# KiCad board hoember_panel.kicad_pcb (continued)
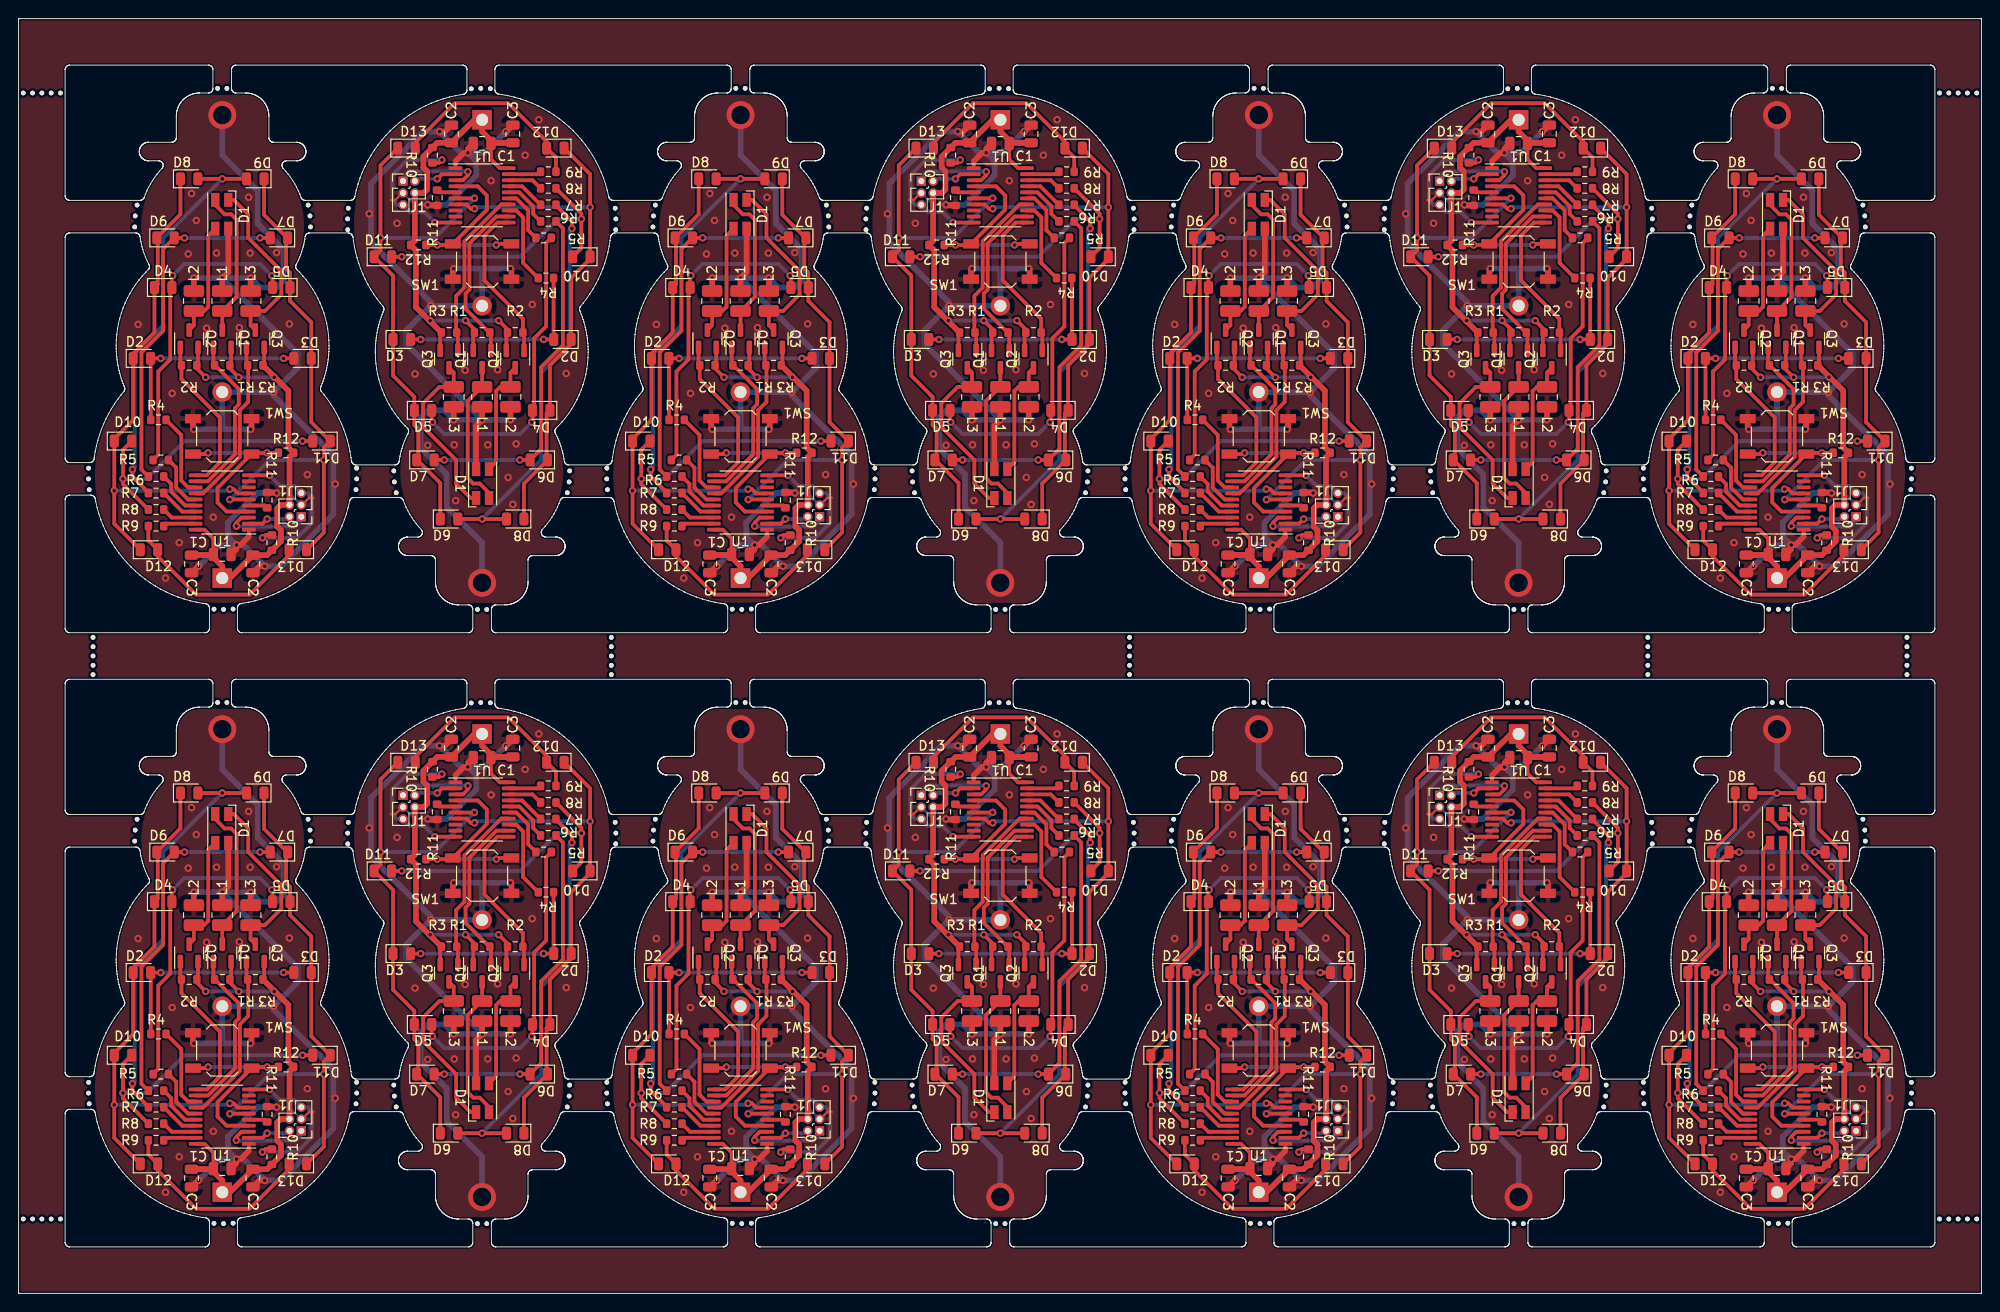
[diagram p0: board, top side]
## Nets (continued)
Board_4-Net-(D1-GK): D1#14.3 L3#12.1 Q3#3.3
Board_4-Net-(D1-RK): D1#14.2 L2#7.1 Q2#6.3
Board_4-Net-(D2-A): D2#12.2 D3#10.2 R4.1
Board_4-Net-(D4-A): D4#8.2 D5#7.2 R5#13.1
Board_4-Net-(D6-A): D6#2.2 D7#5.2 R6#5.1
Board_4-Net-(D8-A): D8#10.2 D9#13.2 R7#2.1
Board_4-Net-(D10-A): D10#4.2 D11#8.2 R8#8.1
Board_4-Net-(D12-A): D12#5.2 D13#5.2 R9#6.1
Board_4-Net-(SW1A-A): R12#2.1 SW1#11.1 U1#13.4
Board_4-Net-(U1-PB6/PF4-BOOT0): R11.2 U1#13.5
Board_4-unconnected-(U1-PF0-OSCIN-Pad8): U1#13.8
Board_4-unconnected-(U1-PF1-OSCOUT-Pad9): U1#13.9
Board_4-VCC: BT1#14.1 C1#14.2 C2#13.1 C3#9.1 J1#7.4 Q1#5.2 Q2#6.2 Q3#3.2 R1#5.1 R2#2.1 R3#11.1 R10#14.1 R12#2.2 U1#13.20
Board_5-/B: Q1.1 R1.2 U1#14.12
Board_5-/G: Q3#8.1 R3#2.2 U1#14.14
Board_5-/L1: R4#4.2 U1#14.13
Board_5-/L2: R5#12.2 U1#14.15
Board_5-/L3: R6#14.2 U1#14.16
Board_5-/L4: R7#11.2 U1#14.17
Board_5-/L5: R8#5.2 U1#14.18
Board_5-/L6: R9.2 U1#14.19
Board_5-/MPX1: D3#4.1 D5#5.1 D7#13.1 D9#2.1 D11.1 D13#7.1 U1#14.6
Board_5-/MPX2: D2.1 D4#3.1 D6#9.1 D8#8.1 D10#14.1 D12#4.1 U1#14.7
Board_5-/nRST: J1.5 R10#5.2 U1#14.10
Board_5-/R: Q2#5.1 R2#14.2 U1#14.11
Board_5-/SWC: J1.1 U1#14.3
Board_5-/SWD: J1.2 U1#14.2
Board_5-GND: BT1#10.2 C1#13.1 C2#5.2 C3#10.2 D1#5.1 J1.3 L1#2.2 L2#4.2 L3#10.2 R11#6.1 SW1.2 U1#14.1
Board_5-Net-(D1-BK): D1#5.4 L1#2.1 Q1.3
Board_5-Net-(D1-GK): D1#5.3 L3#10.1 Q3#8.3
Board_5-Net-(D1-RK): D1#5.2 L2#4.1 Q2#5.3
Board_5-Net-(D2-A): D2.2 D3#4.2 R4#4.1
Board_5-Net-(D4-A): D4#3.2 D5#5.2 R5#12.1
Board_5-Net-(D6-A): D6#9.2 D7#13.2 R6#14.1
Board_5-Net-(D8-A): D8#8.2 D9#2.2 R7#11.1
Board_5-Net-(D10-A): D10#14.2 D11.2 R8#5.1
Board_5-Net-(D12-A): D12#4.2 D13#7.2 R9.1
Board_5-Net-(SW1A-A): R12#11.1 SW1.1 U1#14.4
Board_5-Net-(U1-PB6/PF4-BOOT0): R11#6.2 U1#14.5
Board_5-unconnected-(U1-PF0-OSCIN-Pad8): U1#14.8
Board_5-unconnected-(U1-PF1-OSCOUT-Pad9): U1#14.9
Board_5-VCC: BT1#10.1 C1#13.2 C2#5.1 C3#10.1 J1.4 Q1.2 Q2#5.2 Q3#8.2 R1.1 R2#14.1 R3#2.1 R10#5.1 R12#11.2 U1#14.20
Board_6-/B: Q1#6.1 R1#11.2 U1#10.12
Board_6-/G: Q3#7.1 R3#8.2 U1#10.14
Board_6-/L1: R4#2.2 U1#10.13
Board_6-/L2: R5#10.2 U1#10.15
Board_6-/L3: R6#9.2 U1#10.16
Board_6-/L4: R7#8.2 U1#10.17
Board_6-/L5: R8#12.2 U1#10.18
Board_6-/L6: R9#14.2 U1#10.19
Board_6-/MPX1: D3#13.1 D5.1 D7#7.1 D9#10.1 D11#14.1 D13#9.1 U1#10.6
Board_6-/MPX2: D2#11.1 D4#6.1 D6#4.1 D8#13.1 D10#10.1 D12#12.1 U1#10.7
Board_6-/nRST: J1#8.5 R10#6.2 U1#10.10
Board_6-/R: Q2#2.1 R2#9.2 U1#10.11
Board_6-/SWC: J1#8.1 U1#10.3
Board_6-/SWD: J1#8.2 U1#10.2
Board_6-GND: BT1#9.2 C1#10.1 C2#11.2 C3#5.2 D1#11.1 J1#8.3 L1#14.2 L2#12.2 L3#13.2 R11#14.1 SW1#3.2 U1#10.1
Board_6-Net-(D1-BK): D1#11.4 L1#14.1 Q1#6.3
Board_6-Net-(D1-GK): D1#11.3 L3#13.1 Q3#7.3
Board_6-Net-(D1-RK): D1#11.2 L2#12.1 Q2#2.3
Board_6-Net-(D2-A): D2#11.2 D3#13.2 R4#2.1
Board_6-Net-(D4-A): D4#6.2 D5.2 R5#10.1
Board_6-Net-(D6-A): D6#4.2 D7#7.2 R6#9.1
Board_6-Net-(D8-A): D8#13.2 D9#10.2 R7#8.1
Board_6-Net-(D10-A): D10#10.2 D11#14.2 R8#12.1
Board_6-Net-(D12-A): D12#12.2 D13#9.2 R9#14.1
Board_6-Net-(SW1A-A): R12#5.1 SW1#3.1 U1#10.4
Board_6-Net-(U1-PB6/PF4-BOOT0): R11#14.2 U1#10.5
Board_6-unconnected-(U1-PF0-OSCIN-Pad8): U1#10.8
Board_6-unconnected-(U1-PF1-OSCOUT-Pad9): U1#10.9
Board_6-VCC: BT1#9.1 C1#10.2 C2#11.1 C3#5.1 J1#8.4 Q1#6.2 Q2#2.2 Q3#7.2 R1#11.1 R2#9.1 R3#8.1 R10#6.1 R12#5.2 U1#10.20
Board_7-/B: Q1#12.1 R1#12.2 U1#5.12
Board_7-/G: Q3#2.1 R3#14.2 U1#5.14
Board_7-/L1: R4#7.2 U1#5.13
Board_7-/L2: R5#14.2 U1#5.15
Board_7-/L3: R6.2 U1#5.16
Board_7-/L4: R7#4.2 U1#5.17
Board_7-/L5: R8#7.2 U1#5.18
Board_7-/L6: R9#10.2 U1#5.19
Board_7-/MPX1: D3.1 D5#2.1 D7#10.1 D9#6.1 D11#5.1 D13#6.1 U1#5.6
Board_7-/MPX2: D2#2.1 D4#9.1 D6#3.1 D8#9.1 D10#8.1 D12#9.1 U1#5.7
Board_7-/nRST: J1#9.5 R10.2 U1#5.10
Board_7-/R: Q2#14.1 R2#4.2 U1#5.11
Board_7-/SWC: J1#9.1 U1#5.3
Board_7-/SWD: J1#9.2 U1#5.2
Board_7-GND: BT1#5.2 C1#9.1 C2#2.2 C3.2 D1#4.1 J1#9.3 L1#13.2 L2#14.2 L3#7.2 R11#2.1 SW1#14.2 U1#5.1
Board_7-Net-(D1-BK): D1#4.4 L1#13.1 Q1#12.3
Board_7-Net-(D1-GK): D1#4.3 L3#7.1 Q3#2.3
Board_7-Net-(D1-RK): D1#4.2 L2#14.1 Q2#14.3
Board_7-Net-(D2-A): D2#2.2 D3.2 R4#7.1
Board_7-Net-(D4-A): D4#9.2 D5#2.2 R5#14.1
Board_7-Net-(D6-A): D6#3.2 D7#10.2 R6.1
Board_7-Net-(D8-A): D8#9.2 D9#6.2 R7#4.1
Board_7-Net-(D10-A): D10#8.2 D11#5.2 R8#7.1
Board_7-Net-(D12-A): D12#9.2 D13#6.2 R9#10.1
Board_7-Net-(SW1A-A): R12#10.1 SW1#14.1 U1#5.4
Board_7-Net-(U1-PB6/PF4-BOOT0): R11#2.2 U1#5.5
Board_7-unconnected-(U1-PF0-OSCIN-Pad8): U1#5.8
Board_7-unconnected-(U1-PF1-OSCOUT-Pad9): U1#5.9
Board_7-VCC: BT1#5.1 C1#9.2 C2#2.1 C3.1 J1#9.4 Q1#12.2 Q2#14.2 Q3#2.2 R1#12.1 R2#4.1 R3#14.1 R10.1 R12#10.2 U1#5.20
Board_8-/B: Q1#10.1 R1#2.2 U1#3.12
Board_8-/G: Q3.1 R3#12.2 U1#3.14
Board_8-/L1: R4#12.2 U1#3.13
Board_8-/L2: R5#7.2 U1#3.15
Board_8-/L3: R6#12.2 U1#3.16
Board_8-/L4: R7#5.2 U1#3.17
Board_8-/L5: R8#14.2 U1#3.18
Board_8-/L6: R9#13.2 U1#3.19
Board_8-/MPX1: D3#5.1 D5#10.1 D7#4.1 D9#5.1 D11#9.1 D13#3.1 U1#3.6
Board_8-/MPX2: D2#5.1 D4#14.1 D6#10.1 D8#11.1 D10#3.1 D12#10.1 U1#3.7
Board_8-/nRST: J1#14.5 R10#12.2 U1#3.10
Board_8-/R: Q2#12.1 R2#12.2 U1#3.11
Board_8-/SWC: J1#14.1 U1#3.3
Board_8-/SWD: J1#14.2 U1#3.2
Board_8-GND: BT1#6.2 C1#5.1 C2#12.2 C3#8.2 D1.1 J1#14.3 L1#12.2 L2#9.2 L3.2 R11#4.1 SW1#4.2 U1#3.1
Board_8-Net-(D1-BK): D1.4 L1#12.1 Q1#10.3
Board_8-Net-(D1-GK): D1.3 L3.1 Q3.3
Board_8-Net-(D1-RK): D1.2 L2#9.1 Q2#12.3
Board_8-Net-(D2-A): D2#5.2 D3#5.2 R4#12.1
Board_8-Net-(D4-A): D4#14.2 D5#10.2 R5#7.1
Board_8-Net-(D6-A): D6#10.2 D7#4.2 R6#12.1
Board_8-Net-(D8-A): D8#11.2 D9#5.2 R7#5.1
Board_8-Net-(D10-A): D10#3.2 D11#9.2 R8#14.1
Board_8-Net-(D12-A): D12#10.2 D13#3.2 R9#13.1
Board_8-Net-(SW1A-A): R12#8.1 SW1#4.1 U1#3.4
Board_8-Net-(U1-PB6/PF4-BOOT0): R11#4.2 U1#3.5
Board_8-unconnected-(U1-PF0-OSCIN-Pad8): U1#3.8
Board_8-unconnected-(U1-PF1-OSCOUT-Pad9): U1#3.9
Board_8-VCC: BT1#6.1 C1#5.2 C2#12.1 C3#8.1 J1#14.4 Q1#10.2 Q2#12.2 Q3.2 R1#2.1 R2#12.1 R3#12.1 R10#12.1 R12#8.2 U1#3.20
Board_9-/B: Q1#4.1 R1#3.2 U1.12
Board_9-/G: Q3#13.1 R3#10.2 U1.14
Board_9-/L1: R4#8.2 U1.13
Board_9-/L2: R5#5.2 U1.15
Board_9-/L3: R6#3.2 U1.16
Board_9-/L4: R7#9.2 U1.17
Board_9-/L5: R8#11.2 U1.18
Board_9-/L6: R9#2.2 U1.19
Board_9-/MPX1: D3#11.1 D5#3.1 D7#9.1 D9#7.1 D11#11.1 D13#14.1 U1.6
Board_9-/MPX2: D2#3.1 D4#10.1 D6#8.1 D8#14.1 D10#5.1 D12#2.1 U1.7
Board_9-/nRST: J1#5.5 R10#10.2 U1.10
Board_9-/R: Q2#7.1 R2#8.2 U1.11
Board_9-/SWC: J1#5.1 U1.3
Board_9-/SWD: J1#5.2 U1.2
Board_9-GND: BT1#4.2 C1#2.1 C2#9.2 C3#6.2 D1#2.1 J1#5.3 L1#8.2 L2#13.2 L3#14.2 R11#13.1 SW1#5.2 U1.1
Board_9-Net-(D1-BK): D1#2.4 L1#8.1 Q1#4.3
Board_9-Net-(D1-GK): D1#2.3 L3#14.1 Q3#13.3
Board_9-Net-(D1-RK): D1#2.2 L2#13.1 Q2#7.3
Board_9-Net-(D2-A): D2#3.2 D3#11.2 R4#8.1
Board_9-Net-(D4-A): D4#10.2 D5#3.2 R5#5.1
Board_9-Net-(D6-A): D6#8.2 D7#9.2 R6#3.1
Board_9-Net-(D8-A): D8#14.2 D9#7.2 R7#9.1
Board_9-Net-(D10-A): D10#5.2 D11#11.2 R8#11.1
Board_9-Net-(D12-A): D12#2.2 D13#14.2 R9#2.1
Board_9-Net-(SW1A-A): R12#4.1 SW1#5.1 U1.4
Board_9-Net-(U1-PB6/PF4-BOOT0): R11#13.2 U1.5
Board_9-unconnected-(U1-PF0-OSCIN-Pad8): U1.8
Board_9-unconnected-(U1-PF1-OSCOUT-Pad9): U1.9
Board_9-VCC: BT1#4.1 C1#2.2 C2#9.1 C3#6.1 J1#5.4 Q1#4.2 Q2#7.2 Q3#13.2 R1#3.1 R2#8.1 R3#10.1 R10#10.1 R12#4.2 U1.20
Board_10-/B: Q1#3.1 R1#10.2 U1#8.12
Board_10-/G: Q3#4.1 R3#3.2 U1#8.14
Board_10-/L1: R4#13.2 U1#8.13
Board_10-/L2: R5#3.2 U1#8.15
Board_10-/L3: R6#10.2 U1#8.16
Board_10-/L4: R7#10.2 U1#8.17
Board_10-/L5: R8#10.2 U1#8.18
Board_10-/L6: R9#12.2 U1#8.19
Board_10-/MPX1: D3#12.1 D5#13.1 D7#3.1 D9#11.1 D11#7.1 D13#11.1 U1#8.6
Board_10-/MPX2: D2#13.1 D4#12.1 D6#11.1 D8.1 D10#12.1 D12#6.1 U1#8.7
Board_10-/nRST: J1#3.5 R10#11.2 U1#8.10
Board_10-/R: Q2#3.1 R2#10.2 U1#8.11
Board_10-/SWC: J1#3.1 U1#8.3
Board_10-/SWD: J1#3.2 U1#8.2
Board_10-GND: BT1#12.2 C1.1 C2#8.2 C3#14.2 D1#13.1 J1#3.3 L1#7.2 L2#3.2 L3#11.2 R11#3.1 SW1#12.2 U1#8.1
Board_10-Net-(D1-BK): D1#13.4 L1#7.1 Q1#3.3
Board_10-Net-(D1-GK): D1#13.3 L3#11.1 Q3#4.3
Board_10-Net-(D1-RK): D1#13.2 L2#3.1 Q2#3.3
Board_10-Net-(D2-A): D2#13.2 D3#12.2 R4#13.1
Board_10-Net-(D4-A): D4#12.2 D5#13.2 R5#3.1
Board_10-Net-(D6-A): D6#11.2 D7#3.2 R6#10.1
Board_10-Net-(D8-A): D8.2 D9#11.2 R7#10.1
Board_10-Net-(D10-A): D10#12.2 D11#7.2 R8#10.1
Board_10-Net-(D12-A): D12#6.2 D13#11.2 R9#12.1
Board_10-Net-(SW1A-A): R12#12.1 SW1#12.1 U1#8.4
Board_10-Net-(U1-PB6/PF4-BOOT0): R11#3.2 U1#8.5
Board_10-unconnected-(U1-PF0-OSCIN-Pad8): U1#8.8
Board_10-unconnected-(U1-PF1-OSCOUT-Pad9): U1#8.9
Board_10-VCC: BT1#12.1 C1.2 C2#8.1 C3#14.1 J1#3.4 Q1#3.2 Q2#3.2 Q3#4.2 R1#10.1 R2#10.1 R3#3.1 R10#11.1 R12#12.2 U1#8.20
Board_11-/B: Q1#14.1 R1#8.2 U1#2.12
Board_11-/G: Q3#6.1 R3.2 U1#2.14
Board_11-/L1: R4#5.2 U1#2.13
Board_11-/L2: R5.2 U1#2.15
Board_11-/L3: R6#7.2 U1#2.16
Board_11-/L4: R7#6.2 U1#2.17
Board_11-/L5: R8#6.2 U1#2.18
Board_11-/L6: R9#9.2 U1#2.19
Board_11-/MPX1: D3#2.1 D5#4.1 D7#2.1 D9#12.1 D11#3.1 D13#10.1 U1#2.6
Board_11-/MPX2: D2#10.1 D4#2.1 D6#12.1 D8#3.1 D10.1 D12#7.1 U1#2.7
Board_11-/nRST: J1#11.5 R10#9.2 U1#2.10
Board_11-/R: Q2.1 R2#11.2 U1#2.11
Board_11-/SWC: J1#11.1 U1#2.3
Board_11-/SWD: J1#11.2 U1#2.2
Board_11-GND: BT1#8.2 C1#11.1 C2#7.2 C3#11.2 D1#9.1 J1#11.3 L1#10.2 L2#10.2 L3#5.2 R11#12.1 SW1#2.2 U1#2.1
Board_11-Net-(D1-BK): D1#9.4 L1#10.1 Q1#14.3
Board_11-Net-(D1-GK): D1#9.3 L3#5.1 Q3#6.3
Board_11-Net-(D1-RK): D1#9.2 L2#10.1 Q2.3
Board_11-Net-(D2-A): D2#10.2 D3#2.2 R4#5.1
Board_11-Net-(D4-A): D4#2.2 D5#4.2 R5.1
Board_11-Net-(D6-A): D6#12.2 D7#2.2 R6#7.1
Board_11-Net-(D8-A): D8#3.2 D9#12.2 R7#6.1
Board_11-Net-(D10-A): D10.2 D11#3.2 R8#6.1
Board_11-Net-(D12-A): D12#7.2 D13#10.2 R9#9.1
Board_11-Net-(SW1A-A): R12#3.1 SW1#2.1 U1#2.4
Board_11-Net-(U1-PB6/PF4-BOOT0): R11#12.2 U1#2.5
Board_11-unconnected-(U1-PF0-OSCIN-Pad8): U1#2.8
Board_11-unconnected-(U1-PF1-OSCOUT-Pad9): U1#2.9
Board_11-VCC: BT1#8.1 C1#11.2 C2#7.1 C3#11.1 J1#11.4 Q1#14.2 Q2.2 Q3#6.2 R1#8.1 R2#11.1 R3.1 R10#9.1 R12#3.2 U1#2.20
Board_12-/B: Q1#7.1 R1#6.2 U1#9.12
Board_12-/G: Q3#12.1 R3#5.2 U1#9.14
Board_12-/L1: R4#14.2 U1#9.13
Board_12-/L2: R5#9.2 U1#9.15
Board_12-/L3: R6#6.2 U1#9.16
Board_12-/L4: R7.2 U1#9.17
Board_12-/L5: R8#3.2 U1#9.18
Board_12-/L6: R9#8.2 U1#9.19
Board_12-/MPX1: D3#9.1 D5#6.1 D7#12.1 D9#3.1 D11#13.1 D13#4.1 U1#9.6
Board_12-/MPX2: D2#8.1 D4#4.1 D6#13.1 D8#4.1 D10#7.1 D12#3.1 U1#9.7
Board_12-/nRST: J1#6.5 R10#7.2 U1#9.10
Board_12-/R: Q2#10.1 R2#7.2 U1#9.11
Board_12-/SWC: J1#6.1 U1#9.3
Board_12-/SWD: J1#6.2 U1#9.2
Board_12-GND: BT1.2 C1#3.1 C2#14.2 C3#2.2 D1#8.1 J1#6.3 L1#9.2 L2#2.2 L3#3.2 R11#9.1 SW1#8.2 U1#9.1
Board_12-Net-(D1-BK): D1#8.4 L1#9.1 Q1#7.3
Board_12-Net-(D1-GK): D1#8.3 L3#3.1 Q3#12.3
Board_12-Net-(D1-RK): D1#8.2 L2#2.1 Q2#10.3
Board_12-Net-(D2-A): D2#8.2 D3#9.2 R4#14.1
Board_12-Net-(D4-A): D4#4.2 D5#6.2 R5#9.1
Board_12-Net-(D6-A): D6#13.2 D7#12.2 R6#6.1
Board_12-Net-(D8-A): D8#4.2 D9#3.2 R7.1
Board_12-Net-(D10-A): D10#7.2 D11#13.2 R8#3.1
Board_12-Net-(D12-A): D12#3.2 D13#4.2 R9#8.1
Board_12-Net-(SW1A-A): R12#6.1 SW1#8.1 U1#9.4
Board_12-Net-(U1-PB6/PF4-BOOT0): R11#9.2 U1#9.5
Board_12-unconnected-(U1-PF0-OSCIN-Pad8): U1#9.8
Board_12-unconnected-(U1-PF1-OSCOUT-Pad9): U1#9.9
Board_12-VCC: BT1.1 C1#3.2 C2#14.1 C3#2.1 J1#6.4 Q1#7.2 Q2#10.2 Q3#12.2 R1#6.1 R2#7.1 R3#5.1 R10#7.1 R12#6.2 U1#9.20
Board_13-/B: Q1#2.1 R1#13.2 U1#4.12
Board_13-/G: Q3#10.1 R3#6.2 U1#4.14
Board_13-/L1: R4#3.2 U1#4.13
Board_13-/L2: R5#8.2 U1#4.15
Board_13-/L3: R6#4.2 U1#4.16
Board_13-/L4: R7#12.2 U1#4.17
Board_13-/L5: R8#2.2 U1#4.18
Board_13-/L6: R9#5.2 U1#4.19
Board_13-/MPX1: D3#3.1 D5#8.1 D7#8.1 D9#4.1 D11#6.1 D13#12.1 U1#4.6
Board_13-/MPX2: D2#9.1 D4#11.1 D6#14.1 D8#5.1 D10#11.1 D12#13.1 U1#4.7
Board_13-/nRST: J1#2.5 R10#4.2 U1#4.10
Board_13-/R: Q2#11.1 R2#6.2 U1#4.11
Board_13-/SWC: J1#2.1 U1#4.3
Board_13-/SWD: J1#2.2 U1#4.2
Board_13-GND: BT1#7.2 C1#6.1 C2#10.2 C3#3.2 D1#12.1 J1#2.3 L1#6.2 L2#5.2 L3#6.2 R11#8.1 SW1#13.2 U1#4.1
Board_13-Net-(D1-BK): D1#12.4 L1#6.1 Q1#2.3
Board_13-Net-(D1-GK): D1#12.3 L3#6.1 Q3#10.3
Board_13-Net-(D1-RK): D1#12.2 L2#5.1 Q2#11.3
Board_13-Net-(D2-A): D2#9.2 D3#3.2 R4#3.1
Board_13-Net-(D4-A): D4#11.2 D5#8.2 R5#8.1
Board_13-Net-(D6-A): D6#14.2 D7#8.2 R6#4.1
Board_13-Net-(D8-A): D8#5.2 D9#4.2 R7#12.1
Board_13-Net-(D10-A): D10#11.2 D11#6.2 R8#2.1
Board_13-Net-(D12-A): D12#13.2 D13#12.2 R9#5.1
Board_13-Net-(SW1A-A): R12#7.1 SW1#13.1 U1#4.4
Board_13-Net-(U1-PB6/PF4-BOOT0): R11#8.2 U1#4.5
Board_13-unconnected-(U1-PF0-OSCIN-Pad8): U1#4.8
Board_13-unconnected-(U1-PF1-OSCOUT-Pad9): U1#4.9
Board_13-VCC: BT1#7.1 C1#6.2 C2#10.1 C3#3.1 J1#2.4 Q1#2.2 Q2#11.2 Q3#10.2 R1#13.1 R2#6.1 R3#6.1 R10#4.1 R12#7.2 U1#4.20

## Via types
v1: diameter 0.8, hole 0.4, Top to Bottom, 700 vias
v2: diameter 3, hole 2, Top to Bottom, 14 vias

## Routing (per net, layer and track width the routed paths; a pad name or vN(x,y) marks a point on that pad's centre or on a via; arc(x,y) is an arc through that point)
Board_0-/B: length 18.2
  Top w0.406: Q1#9.1 20.94,99.92 R1#7.2 21.1,99.79 23.66,97.23 23.66,95.59 23.25,95.18 23.25,90.21 20.35,87.31 U1#11.12
Board_0-/G: length 18.6
  Top w0.406: U1#11.14 19.83,86.01 23.78,89.97 23.78,94.95 24.68,95.85 24.68,99.73 R3#4.2 24.49,99.92 Q3#11.1
Board_0-/L1: length 9
  Top w0.406: U1#11.13 18.22,86.66 17.48,87.4 17.48,92.3 R4#6.2
Board_0-/L2: length 5.9
  Top w0.406: U1#11.15 18.22,85.36 16.94,86.65 16.94,88.78 R5#2.2
Board_0-/L3: length 5.2
  Top w0.406: U1#11.16 17.89,84.71 16.4,86.21 16.4,87.03 R6#2.2
Board_0-/L4: length 4.2
  Top w0.406: U1#11.17 17.59,84.06 R7#14.2
Board_0-/L5: length 3.8
  Top w0.406: R8#13.2 16.46,83.41 U1#11.18
Board_0-/L6: length 3.5
  Top w0.406: U1#11.19 15.86,82.76 R9#4.2
Board_0-/MPX1: length 58.3
  Top w0.406: D5#11.1 29.17,106.71 31.46,104.42 D3#14.1 31.46,93.68 D11#12.1 32.81,90.96 32.81,81.82 D13.1 ; D5#11.1 29.17,109.75 28.74,110.18 28.74,113.31 D7#11.1 28.87,113.49 26.38,115.98 D9.1 ; D5#11.1 28.92,108.41 ; v1(22.71,85.35) 22.73,85.36 U1#11.6
  Bottom w0.406: v1(32.81,89.61) 26.97,89.61 23.45,86.09 23.45,86.09 v1(22.71,85.35)
Board_0-/MPX2: length 59
  Top w0.406: U1#11.7 23.57,86.01 23.11,86.48 v1(22.7,86.48) ; D6#6.1 17.39,116.03 D8#6.1 ; D12#11.1 10.28,82.75 v1(10.28,86.31) D10#13.1 10.28,91.87 12.31,93.91 D2#14.1 12.31,101.03 14.6,103.32 D4#5.1 14.96,108.51 14.96,113.62
  Bottom w0.406: v1(10.28,86.31) 22.54,86.31 v1(22.7,86.48) 22.62,86.56
Board_0-/nRST: length 17.6
  Top w0.406: v1(26.2,81.23) 26.52,81.55 R10#8.2 ; v1(26.97,87.96) U1#11.10
  Bottom w0.406: v1(26.2,81.23) 29.91,81.23 31.54,82.86 31.54,85.55 31.04,86.05 J1#12.5 29.62,86.82 28.11,86.82 v1(26.97,87.96)
Board_0-/R: length 17.3
  Top w0.406: Q2#13.1 17.38,99.92 R2.2 17.51,98.31 21.63,94.18 21.63,89.36 20.24,87.96 U1#11.11
Board_0-/SWC: length 9.6
  Top w0.406: v1(23.41,82.5) 23.41,82.88 23.95,83.41 U1#11.3
  Bottom w0.406: J1#12.1 30.39,83.12 29.72,82.46 23.45,82.46 v1(23.41,82.5)
Board_0-/SWD: length 4.7
  Top w0.406: U1#11.2 26.22,82.76 v1(26.71,83.26)
  Bottom w0.406: v1(26.71,83.26) 28.87,83.26 J1#12.2
Board_0-GND: length 131.7
  Top w0.254: 31.69,85.55 31.23,85.55 30.47,84.78 J1#12.3
  Top w0.406: U1#11.1 24.75,81.36
  Top w0.61: L2#6.2 v1(18.84,109.17) ; L3#4.2 v1(24.93,109.17) ; v1(26.46,78.18) 25.88,78.18 C2#4.2 ; SW1#6.2 25.04,93.02 v1(24.93,92.91) 24.93,93.17 ; v1(27.73,86.06) 27.67,86.12 R11#7.1 ; v1(19.35,78.18) 19.28,78.18 C3#13.2 ; v1(18.84,92.91) 18.74,93.02 SW1#6.2 ; D1#10.1 22.54,109.82 v1(21.89,109.17) L1#11.2 ; C1#12.1 23.41,80.03 v1(23.41,80.47) 23.85,80.47 24.75,81.36
  Bottom w0.254: v1(27.73,86.06) 29.1,86.06 30.37,84.78 J1#12.3
  Bottom w0.61: v1(27.41,96.91) BT1#13.2 21.89,92.91 ; v1(27.41,96.91) 30.01,99.52 30.01,101.04 v1(21.89,109.17) ; v1(27.41,96.91) 27.41,96.54 33.82,90.12 33.82,87.22 v1(34.03,87.02) 33.82,86.82 33.82,83.77 28.24,78.18 v1(26.46,78.18) 24.17,80.47 v1(23.41,80.47) ; v1(18.84,92.91) 21.89,92.91 ; 21.89,92.91 v1(24.93,92.91) ; v1(27.73,86.06) 25.69,86.06 22.51,82.87 22.51,81.37 v1(23.41,80.47) ; v1(23.41,80.47) 21.63,80.47 v1(19.35,78.18) ; v2(21.89,126.7) 21.89,122.37 25.7,118.57 25.7,115.02 28.49,112.23 28.49,108.92 27.73,108.15 25.95,108.15 v1(24.93,109.17) v1(18.84,109.17)
  vias: v1(12.84,104.19) v1(15.79,76.91) v1(16.5,96.77) v1(17.26,80.72) v1(18.23,111.76) v1(18.58,118.26) v1(19.09,115.37) v1(20.21,103.78) v1(20.92,83.46) v1(21.28,111.86) v1(23.72,103.84) v1(24.73,117.86) v1(24.88,111.86) v1(27.73,111.91) v1(29.1,104.24) v1(31.03,88.04)
Board_0-Net-(D1-BK): length 16
  Top w0.406: Q1#9.3 L1#11.1 21.93,105.63 23.43,107.14 23.43,115.45 22.85,116.03 22.14,116.03 21.14,117.03 D1#10.4
Board_0-Net-(D1-GK): length 19.2
  Top w0.406: D1#10.3 23.13,117.58 24.68,116.03 24.68,113.49 28.24,109.93 28.24,107.39 26.48,105.63 L3#4.1 24.93,104.09 Q3#11.3
Board_0-Net-(D1-RK): length 12.7
  Top w0.406: D1#10.2 20.38,113.73 20.38,106.08 19.94,105.63 L2#6.1 18.84,104.09 Q2#13.3
Board_0-Net-(D2-A): length 22.4
  Top w0.406: R4#6.1 14.2,100.52 D2#14.2 ; D2#14.2 v1(15.28,100.53) 15.03,100.53 ; D2#14.2 14.27,100.46 ; D3#14.2 v1(28.49,100.53)
  Bottom w0.406: v1(15.28,100.53) v1(28.49,100.53)
Board_0-Net-(D4-A): length 33.8
  Top w0.406: v1(16.55,109.42) 16.47,109.35 D4#5.2 ; D4#5.2 16.3,107.98 16.3,100.41 15.01,99.12 15.01,90.16 R5#2.1 ; D4#5.2 16.55,108.08 ; v1(27.22,109.42) 27.3,109.35 D5#11.2
  Bottom w0.406: v1(27.22,109.42) 25.95,110.69 17.82,110.69 v1(16.55,109.42)
Board_0-Net-(D6-A): length 38
  Top w0.406: D7#11.2 v1(25.95,113.49) 26.2,113.49 ; v1(17.82,113.49) D6#6.2 15.54,112.3 15.54,103.5 13.2,101.17 13.2,88.58 R6#2.1
  Bottom w0.406: v1(17.82,113.49) v1(25.95,113.49)
Board_0-Net-(D8-A): length 43.8
  Top w0.406: D9.2 v1(21.89,119.84) D8#6.2 ; v1(12.23,88.6) 12.23,87.83 14.01,86.06 R7#14.1
  Bottom w0.406: v1(21.89,119.84) 15.54,113.49 15.54,104.09 12.49,101.04 12.49,88.85 v1(12.23,88.6)
Board_0-Net-(D10-A): length 31.2
  Top w0.406: D11#12.2 v1(30.52,91.64) 30.78,91.64 ; D10#13.2 11.22,90.71 v1(11.22,87.58) 11.22,87.01 R8#13.1
  Bottom w0.406: v1(11.22,87.58) 13.76,87.58 17.82,91.64 v1(30.52,91.64)
Board_0-Net-(D12-A): length 21.8
  Top w0.406: R9#4.1 13.95,80.96 D12#11.2 14.95,79.26 19.08,75.13 24.83,75.13 29.08,79.38 D13.2
Board_0-Net-(SW1A-A): length 21.5
  Top w0.406: SW1#6.1 20.24,90.25 v1(20.36,90.37) ; U1#11.4 22.35,84.06 21.38,85.04 21.38,86.59 SW1#6.1 25.16,90.37 v1(26.71,90.37) R12.1
  Bottom w0.406: v1(26.71,90.37) v1(20.36,90.37)
Board_0-Net-(U1-PB6/PF4-BOOT0): length 2.1
  Top w0.406: R11#7.2 26.47,84.71 U1#11.5
Board_0-VCC: length 58.1
  Top w0.406: Q1#9.2 22.84,99.92 R1#7.1 22.71,99.45 v1(23.66,98.5) ; U1#11.20 19.99,82.11 20.94,81.16 C1#12.2 ; R3#4.1 26.39,99.92 Q3#11.2 ; v1(20.11,98.5) 19.16,99.45 R2.1 19.28,99.92 Q2#13.2
  Top w0.61: 21.89,76.91 21.31,76.91 ; 28.86,84.78 28.15,84.78 27.79,84.42 27.79,82.45 28.2,82.04 28.2,80.88 R10#8.1 26.71,79.39 C2#4.1 22.71,76.91 BT1#13.1 21.89,78.18 20.68,79.39 C3#13.1 20.87,79.39 C1#12.2 ; J1#12.4 29.12,89.92 R12.2 29,90.94 29,97.06 R3#4.1
  Bottom w0.406: v1(20.11,98.5) v1(27.47,98.5)
Board_1-/B: length 18.2
  Top w0.406: U1#12.12 51.35,115.79 48.45,112.89 48.45,107.93 48.04,107.51 48.04,105.87 50.6,103.31 R1#14.2 50.77,103.19 Q1#11.1
Board_1-/G: length 18.6
  Top w0.406: Q3#9.1 47.21,103.19 R3#7.2 47.02,103.37 47.02,107.25 47.92,108.15 47.92,113.13 51.88,117.09 U1#12.14
Board_1-/L1: length 9
  Top w0.406: R4#11.2 54.22,110.8 54.22,115.7 53.48,116.44 U1#12.13
Board_1-/L2: length 5.9
  Top w0.406: R5#11.2 54.77,114.32 54.77,116.45 53.48,117.74 U1#12.15
Board_1-/L3: length 5.2
  Top w0.406: U1#12.16 53.81,118.39 55.3,116.9 55.3,116.07 R6#11.2
Board_1-/L4: length 4.2
  Top w0.406: U1#12.17 54.11,119.04 R7#7.2
Board_1-/L5: length 3.8
  Top w0.406: R8#4.2 55.24,119.69 U1#12.18
Board_1-/L6: length 3.5
  Top w0.406: R9#7.2 55.84,120.34 U1#12.19
Board_1-/MPX1: length 58.3
  Top w0.406: U1#12.6 48.98,117.74 v1(48.99,117.75) ; D13#13.1 38.9,121.29 38.9,112.14 D11#10.1 40.24,109.43 D3#7.1 40.24,98.68 42.53,96.39 D5#14.1 ; 42.78,94.69 D5#14.1 ; D5#14.1 42.53,93.35 42.96,92.92 42.96,89.79 D7.1 42.84,89.61 45.32,87.12 D9#9.1
  Bottom w0.406: v1(38.9,113.49) 44.74,113.49 48.25,117.01 48.25,117.01 v1(48.99,117.75)
Board_1-/MPX2: length 59
  Top w0.406: 56.75,89.49 56.75,94.59 D4.1 57.11,99.78 59.39,102.07 D2#4.1 59.39,109.2 61.42,111.23 D10#6.1 v1(61.42,116.79) 61.42,120.35 D12#8.1 ; U1#12.7 48.13,117.09 48.6,116.62 v1(49,116.62) ; D8#12.1 54.31,87.07 D6#5.1
  Bottom w0.406: v1(61.42,116.79) 49.17,116.79 v1(49,116.62) 49.09,116.54
Board_1-/nRST: length 17.6
  Top w0.406: v1(44.74,115.14) U1#12.10 ; R10#3.2 45.18,121.56 v1(45.5,121.87)
  Bottom w0.406: v1(44.74,115.14) 43.59,116.28 42.09,116.28 J1#4.5 40.67,117.05 40.17,117.55 40.17,120.24 41.79,121.87 v1(45.5,121.87)
Board_1-/R: length 17.3
  Top w0.406: Q2#4.1 54.32,103.19 R2#13.2 54.2,104.79 50.07,108.92 50.07,113.74 51.47,115.14 U1#12.11
Board_1-/SWC: length 9.6
  Top w0.406: v1(48.29,120.6) 48.29,120.22 47.76,119.69 U1#12.3
  Bottom w0.406: v1(48.29,120.6) 48.25,120.64 41.99,120.64 41.32,119.98 J1#4.1
Board_1-/SWD: length 4.7
  Top w0.406: U1#12.2 45.49,120.34 v1(44.99,119.84)
  Bottom w0.406: v1(44.99,119.84) 42.84,119.84 J1#4.2
Board_1-GND: length 131.7
  Top w0.254: 40.01,117.55 40.47,117.55 41.24,118.32 J1#4.3
  Top w0.406: U1#12.1 46.96,121.74
  Top w0.61: v1(43.98,117.05) 44.04,116.98 R11#11.1 ; C1#4.1 48.29,123.08 v1(48.29,122.63) 47.85,122.63 46.96,121.74 ; C2#6.2 45.82,124.92 v1(45.25,124.92) ; D1#6.1 49.17,93.28 v1(49.82,93.93) L1#5.2 ; C3#12.2 52.42,124.92 v1(52.36,124.92) ; L3#2.2 v1(46.77,93.93) ; 46.77,109.93 v1(46.77,110.19) 46.67,110.09 SW1#7.2 ; L2.2 v1(52.87,93.93) ; SW1#7.2 52.97,110.09 v1(52.87,110.19)
  Bottom w0.254: v1(43.98,117.05) 42.6,117.05 41.33,118.32 J1#4.3
  Bottom w0.61: v1(52.87,93.93) v1(46.77,93.93) 45.75,94.95 43.98,94.95 43.21,94.19 43.21,90.87 46.01,88.08 46.01,84.53 49.81,80.73 v2(49.81,76.41) ; v1(48.29,122.63) 49.2,121.73 49.2,120.23 46.02,117.05 v1(43.98,117.05) ; v1(48.29,122.63) 50.07,122.63 v1(52.36,124.92) ; v1(48.29,122.63) 47.53,122.63 v1(45.25,124.92) 43.47,124.92 37.88,119.33 37.88,116.28 v1(37.68,116.08) 37.88,115.88 37.88,112.98 44.3,106.57 v1(44.3,106.19) ; v1(44.3,106.19) BT1#2.2 49.82,110.19 ; v1(44.3,106.19) 41.69,103.58 41.69,102.06 v1(49.82,93.93) ; 49.82,110.19 v1(52.87,110.19) ; 49.82,110.19 v1(46.77,110.19)
  vias: v1(40.67,115.06) v1(42.6,98.86) v1(43.98,91.19) v1(46.82,91.24) v1(46.97,85.25) v1(47.99,99.27) v1(50.43,91.24) v1(50.78,119.64) v1(51.49,99.32) v1(52.61,87.73) v1(53.12,84.84) v1(53.48,91.34) v1(54.44,122.38) v1(55.2,106.33) v1(55.91,126.19) v1(58.86,98.91)
Board_1-Net-(D1-BK): length 16
  Top w0.406: Q1#11.3 L1#5.1 49.78,97.47 48.27,95.96 48.27,87.65 48.85,87.07 49.56,87.07 50.57,86.07 D1#6.4
Board_1-Net-(D1-GK): length 19.2
  Top w0.406: D1#6.3 48.57,85.52 47.02,87.07 47.02,89.61 43.47,93.17 43.47,95.71 45.23,97.47 L3#2.1 46.77,99.01 Q3#9.3
Board_1-Net-(D1-RK): length 12.7
  Top w0.406: Q2#4.3 52.87,99.01 L2.1 51.77,97.47 51.32,97.02 51.32,89.38 D1#6.2
Board_1-Net-(D2-A): length 22.4
  Top w0.406: D2#4.2 v1(56.42,102.57) 56.68,102.57 ; D2#4.2 57.44,102.65 ; D2#4.2 57.5,102.58 R4#11.1 ; D3#7.2 v1(43.21,102.57)
  Bottom w0.406: v1(56.42,102.57) v1(43.21,102.57)
Board_1-Net-(D4-A): length 33.8
  Top w0.406: v1(44.48,93.68) 44.41,93.76 D5#14.2 ; R5#11.1 56.7,112.94 56.7,103.98 55.41,102.69 55.41,95.12 D4.2 ; 55.15,95.03 D4.2 ; D4.2 55.23,93.76 v1(55.15,93.68)
  Bottom w0.406: v1(55.15,93.68) 53.88,92.41 45.75,92.41 v1(44.48,93.68)
Board_1-Net-(D6-A): length 38
  Top w0.406: v1(53.88,89.61) D6#5.2 56.17,90.81 56.17,99.6 58.5,101.93 58.5,114.52 R6#11.1 ; D7.2 v1(45.75,89.61) 45.5,89.61
  Bottom w0.406: v1(53.88,89.61) v1(45.75,89.61)
Board_1-Net-(D8-A): length 43.8
  Top w0.406: D9#9.2 v1(49.82,83.26) D8#12.2 ; v1(59.47,114.51) 59.47,115.27 57.69,117.05 R7#7.1
  Bottom w0.406: v1(59.47,114.51) 59.22,114.25 59.22,102.06 56.17,99.01 56.17,89.61 v1(49.82,83.26)
Board_1-Net-(D10-A): length 31.2
  Top w0.406: D10#6.2 60.49,112.4 v1(60.49,115.52) 60.49,116.09 R8#4.1 ; D11#10.2 v1(41.18,111.46) 40.93,111.46
  Bottom w0.406: v1(41.18,111.46) 53.88,111.46 57.95,115.52 v1(60.49,115.52)
Board_1-Net-(D12-A): length 21.8
  Top w0.406: D13#13.2 42.63,123.72 46.87,127.97 52.63,127.97 56.75,123.84 D12#8.2 57.76,122.14 R9#7.1
Board_1-Net-(SW1A-A): length 21.5
  Top w0.406: v1(51.34,112.73) 51.46,112.85 SW1#7.1 ; R12#13.1 v1(44.99,112.73) 46.55,112.73 SW1#7.1 50.33,116.51 50.33,118.06 49.35,119.04 U1#12.4
  Bottom w0.406: v1(44.99,112.73) v1(51.34,112.73)
Board_1-Net-(U1-PB6/PF4-BOOT0): length 2.1
  Top w0.406: R11#11.2 45.24,118.39 U1#12.5
Board_1-VCC: length 58.1
  Top w0.406: C1#4.2 50.77,121.94 51.72,120.99 U1#12.20 ; v1(51.6,104.6) 52.55,103.65 R2#13.1 52.42,103.19 Q2#4.2 ; Q1#11.2 48.87,103.19 R1#14.1 48.99,103.65 v1(48.04,104.6) ; R3#7.1 45.31,103.19 Q3#9.2
  Top w0.61: J1#4.4 42.59,113.18 R12#13.2 42.71,112.16 42.71,106.04 R3#7.1 ; C1#4.2 50.83,123.72 C3#12.1 51.02,123.72 49.82,124.92 BT1#2.1 48.99,126.19 C2#6.1 45,123.72 R10#3.1 43.5,122.23 43.5,121.06 43.91,120.65 43.91,118.68 43.55,118.32 42.84,118.32 ; 49.81,126.19 50.39,126.19
  Bottom w0.406: v1(51.6,104.6) v1(44.23,104.6)
Board_2-/B: length 18.2
  Top w0.406: U1#6.12 76.06,87.31 78.95,90.21 78.95,95.18 79.37,95.59 79.37,97.23 76.81,99.79 R1#9.2 76.64,99.92 Q1#13.1